# KiCad board nijuni.kicad_pcb
title: Nijuni; date: 2021-12-10; rev: 0.2
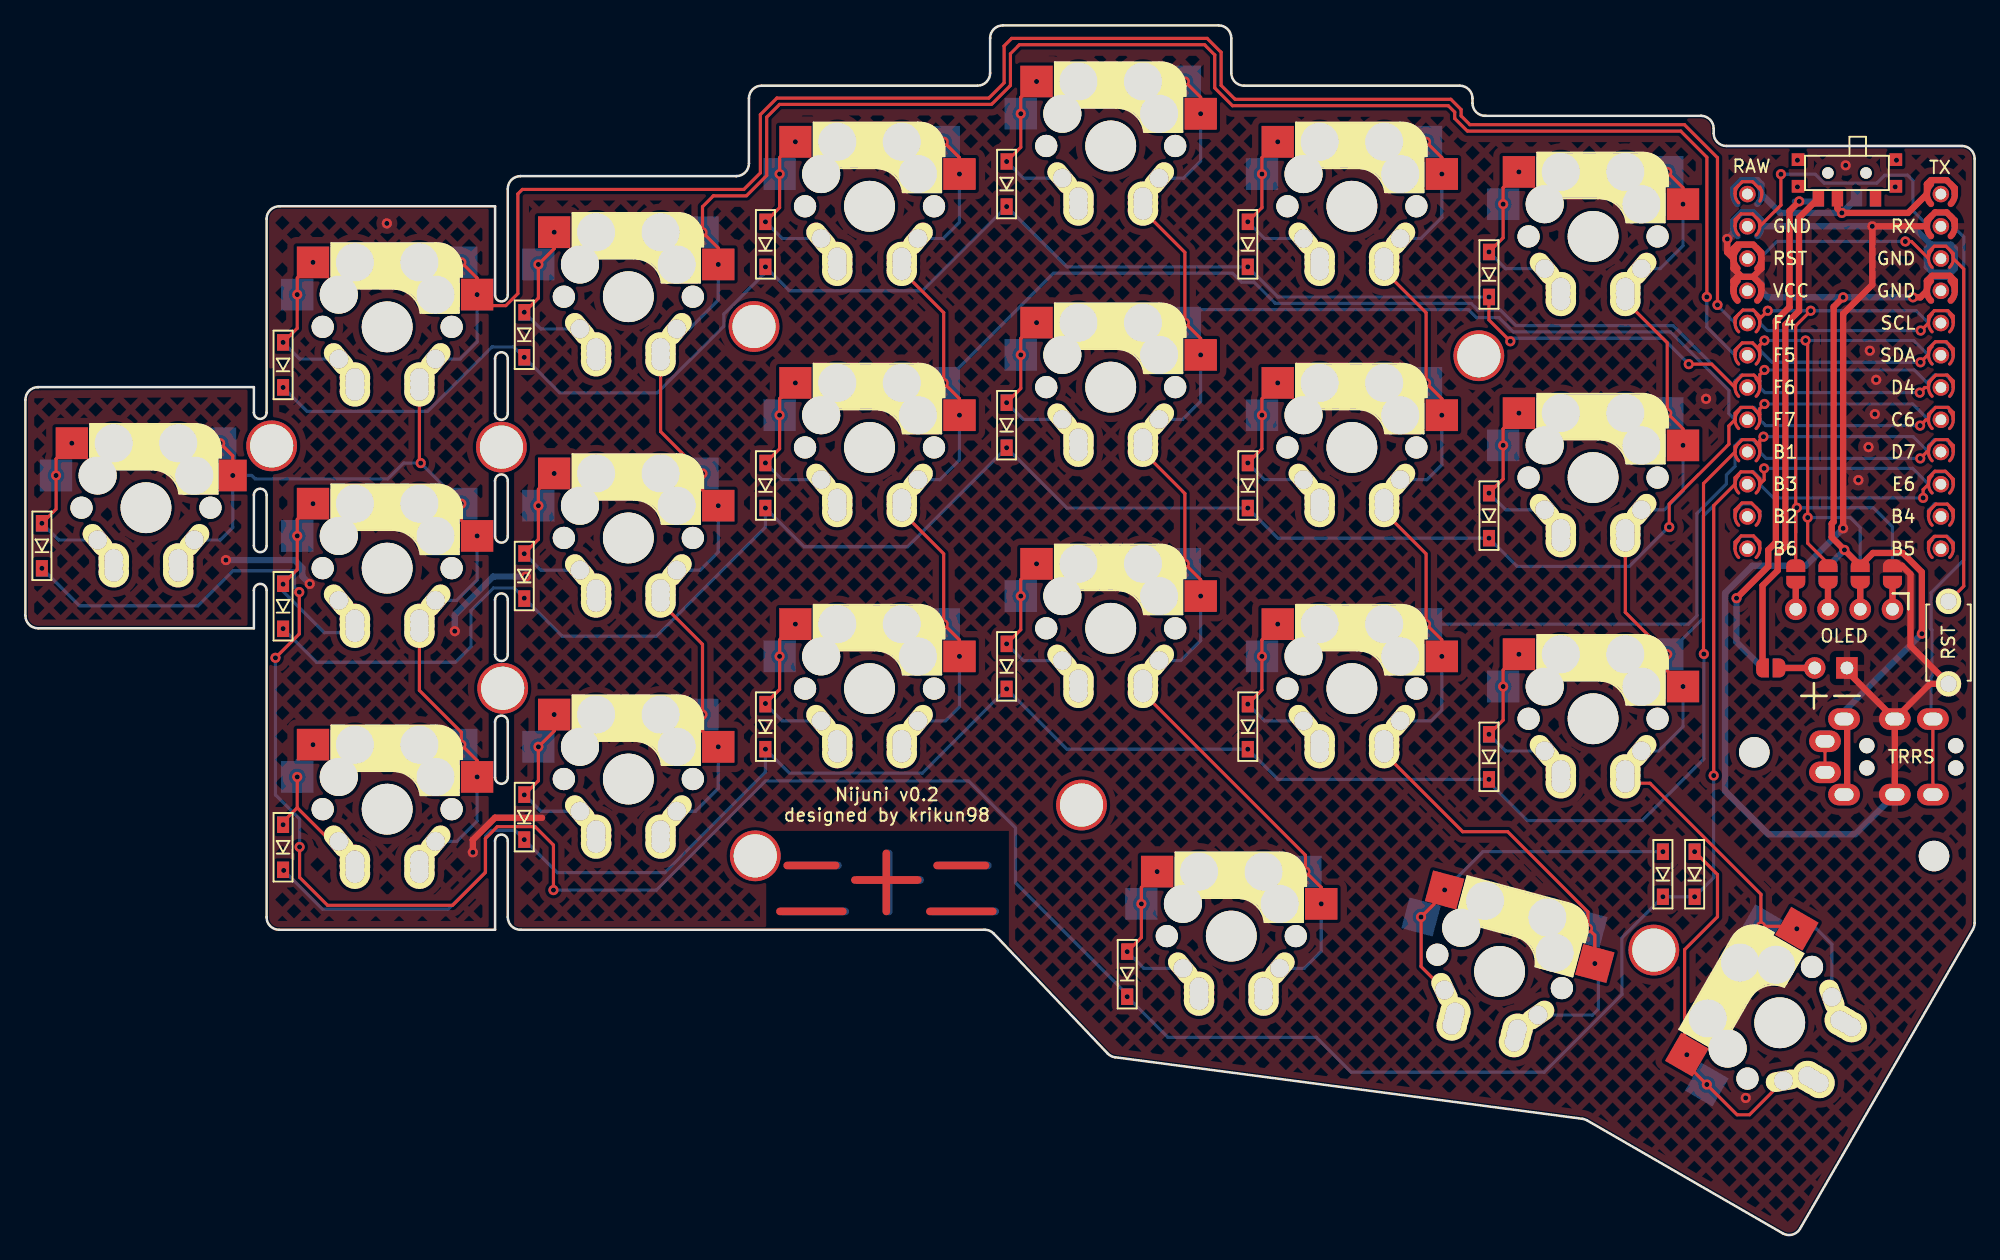
[diagram p0: board, top side]
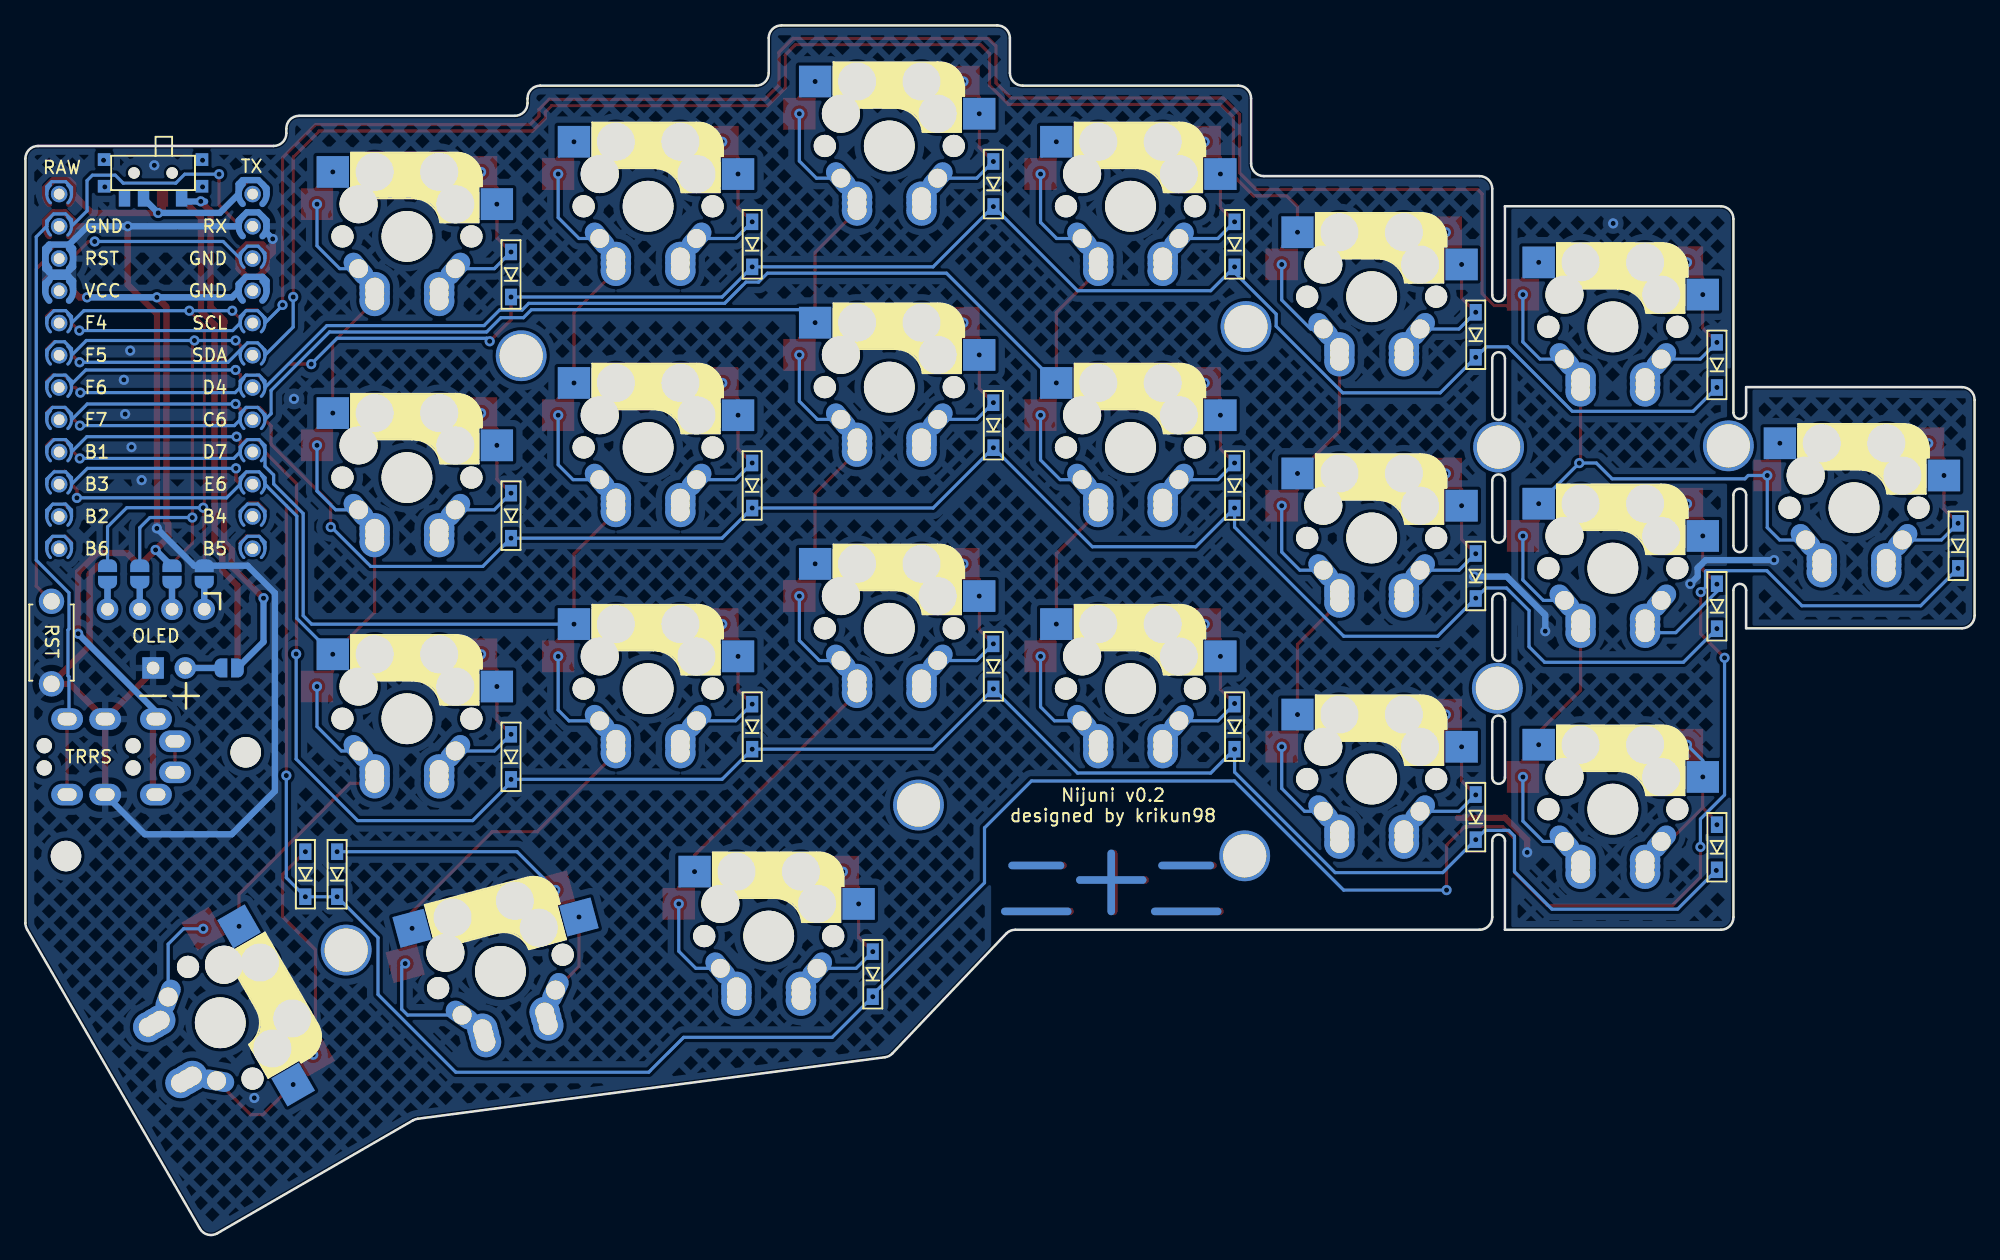
[diagram p1: board, bottom side, seen from below]

Outline 153.56 x 95.27 mm; copper layers: Top, Bottom. Coordinates in mm from the lower left corner of the outline.
Outline path: 0,65.77 arc(0.29,66.47) 1,66.77 18,66.77 18,64.77 arc(18.5,64.27) 19,64.77 19,80.02 arc(19.29,80.72) 20,81.02 37,81.02 37,74.02 arc(37.5,73.52) 38,74.02 38,82.39 arc(38.29,83.1) 39,83.39 56,83.39 arc(56.71,83.69) 57,84.39 57,89.52 arc(57.29,90.22) 58,90.52 75,90.52 arc(75.71,90.81) 76,91.52 76,94.27 arc(76.29,94.97) 77,95.27 94,95.27 arc(94.71,94.97) 95,94.27 95,91.52 arc(95.29,90.81) 96,90.52 113,90.52 arc(113.71,90.22) 114,89.52 114,89.14 arc(114.29,88.44) 115,88.14 132,88.14 arc(132.71,87.85) 133,87.14 133,86.77 arc(133.29,86.06) 134,85.77 152.56,85.77 arc(153.26,85.47) 153.56,84.77 153.56,24.55 arc(153.52,24.29) 153.42,24.05 139.81,0.47 arc(139.2,0) 138.44,0.1 123.02,9 arc(122.85,9.08) 122.66,9.13 85.85,13.97 arc(85.53,14.07) 85.26,14.27 76.29,23.71 arc(75.97,23.94) 75.58,24.02 39,24.02 arc(38.29,24.31) 38,25.02 38,31.02 arc(37.5,31.52) 37,31.02 37,24.02 19.99,24.02 arc(19.29,24.31) 19,25.01 19,50.77 arc(18.5,51.27) 18,50.77 18,47.77 1,47.77 arc(0.29,48.06) 0,48.77 0,65.77 ; 18,58.27 18,54.27 arc(18.5,53.77) 19,54.27 19,58.27 arc(18.5,58.77) 18,58.27 ; 37,69.02 37,64.69 arc(37.5,64.19) 38,64.69 38,69.02 arc(37.5,69.52) 37,69.02 ; 37,59.39 arc(37.5,59.89) 38,59.39 38,55.02 arc(37.5,54.52) 37,55.02 37,59.39 ; 37,50.02 arc(37.5,50.52) 38,50.02 38,45.69 arc(37.5,45.19) 37,45.69 37,50.02 ; 37,40.39 37,36.02 arc(37.5,35.52) 38,36.02 38,40.39 arc(37.5,40.89) 37,40.39
Stack: Top 0.035mm / dielectric 0.72mm FR4 er 4.5 / Bottom 0.035mm

## Placement (name value [footprint] x y rotation side)
D1  D_Small  [D3_SMD]  20.3 68.52 90 top
D2  D_Small  [D3_SMD]  39.3 70.89 90 top
D3  D_Small  [D3_SMD]  58.3 78.02 90 top
D4  D_Small  [D3_SMD]  77.3 82.77 90 top
D5  D_Small  [D3_SMD]  96.3 78.02 90 top
D6  D_Small  [D3_SMD]  115.3 75.64 90 top
D7  D_Small  [D3_SMD]  20.3 49.5 90 top
D8  D_Small  [D3_SMD]  39.3 51.89 90 top
D9  D_Small  [D3_SMD]  58.3 59.02 90 top
D10  D_Small  [D3_SMD]  77.3 63.77 90 top
D11  D_Small  [D3_SMD]  96.3 59.02 90 top
D12  D_Small  [D3_SMD]  115.3 56.64 90 top
D13  D_Small  [D3_SMD]  20.3 30.52 90 top
D14  D_Small  [D3_SMD]  39.3 32.89 90 top
D15  D_Small  [D3_SMD]  58.3 40.02 90 top
D16  D_Small  [D3_SMD]  77.3 44.77 90 top
D17  D_Small  [D3_SMD]  96.3 40.02 90 top
D18  D_Small  [D3_SMD]  115.3 37.64 90 top
D19  D_Small  [D3_SMD]  1.3 54.27 90 top
D20  D_Small  [D3_SMD]  86.8 20.52 90 top
D21  D_Small  [D3_SMD]  129 28.39 90 top
D22  D_Small  [D3_SMD]  131.5 28.39 90 top
H0  MountingHole  [M2-MountingHole-Standoff]  19.4 62.14 0 top
H1  MountingHole  [M2-MountingHole-Standoff]  37.6 43.04 0 top
H2  MountingHole  [M2-MountingHole-Standoff]  37.5 62.04 0 top
H3  MountingHole  [M2-MountingHole-Standoff]  57.4 71.54 0 top
H4  MountingHole  [M2-MountingHole-Standoff]  57.5 29.84 0 top
H5  MountingHole  [M2-MountingHole-Standoff]  83.2 33.84 0 top
H6  MountingHole  [M2-MountingHole-Standoff]  114.5 69.24 0 top
H7  MountingHole  [M2-MountingHole-Standoff]  128.29 22.42 0 top
H8  MountingHole  [M2-ClearanceHole]  150.36 29.82 0 top
H9  MountingHole  [M2-ClearanceHole]  136.2 38 0 top
J1  -  [MJ-4PP-9]  153.57 37.64 270 top
J2  Conn_01x04  [OLED_DISPLAY_128x32px_0.91in]  143.28 66.77 180 top
J3  Conn_01x02_Female  [Battery_TH]  143.5 44.64 270 top
JP1  SolderJumper_2_Open  [SolderJumper-2_P1.3mm_Open_RoundedPad1.0x1.5mm]  139.47 52.05 90 top
JP2  SolderJumper_2_Open  [SolderJumper-2_P1.3mm_Open_RoundedPad1.0x1.5mm]  142.01 52.05 90 top
JP3  SolderJumper_2_Open  [SolderJumper-2_P1.3mm_Open_RoundedPad1.0x1.5mm]  144.55 52.05 90 top
JP4  SolderJumper_2_Open  [SolderJumper-2_P1.3mm_Open_RoundedPad1.0x1.5mm]  147.09 52.05 90 top
JP5  SolderJumper_2_Open  [SolderJumper-2_P1.3mm_Open_RoundedPad1.0x1.5mm]  139.47 52.05 90 bottom
JP6  SolderJumper_2_Open  [SolderJumper-2_P1.3mm_Open_RoundedPad1.0x1.5mm]  142.01 52.05 90 bottom
JP7  SolderJumper_2_Open  [SolderJumper-2_P1.3mm_Open_RoundedPad1.0x1.5mm]  144.55 52.05 90 bottom
JP8  SolderJumper_2_Open  [SolderJumper-2_P1.3mm_Open_RoundedPad1.0x1.5mm]  147.09 52.05 90 bottom
JP9  SolderJumper_2_Open  [SolderJumper-2_P1.3mm_Open_RoundedPad1.0x1.5mm]  137.5 44.64 180 top
JP10  SolderJumper_2_Open  [SolderJumper-2_P1.3mm_Open_RoundedPad1.0x1.5mm]  137.5 44.64 180 bottom
K1  KEYSW  [MX-Alps-HS-1U-REV]  28.5 71.52 0 top
K2  KEYSW  [MX-Alps-HS-1U-REV]  47.5 73.89 0 top
K3  KEYSW  [MX-Alps-HS-1U-REV]  66.5 81.02 0 top
K4  KEYSW  [MX-Alps-HS-1U-REV]  85.5 85.77 0 top
K5  KEYSW  [MX-Alps-HS-1U-REV]  104.5 81.02 0 top
K6  KEYSW  [MX-Alps-HS-1U-REV]  123.5 78.64 0 top
K7  KEYSW  [MX-Alps-HS-1U-REV]  28.5 52.5 0 top
K8  KEYSW  [MX-Alps-HS-1U-REV]  47.5 54.89 0 top
K9  KEYSW  [MX-Alps-HS-1U-REV]  66.5 62.02 0 top
K10  KEYSW  [MX-Alps-HS-1U-REV]  85.5 66.77 0 top
K11  KEYSW  [MX-Alps-HS-1U-REV]  104.5 62.02 0 top
K12  KEYSW  [MX-Alps-HS-1U-REV]  123.5 59.64 0 top
K13  KEYSW  [MX-Alps-HS-1U-REV]  28.5 33.52 0 top
K14  KEYSW  [MX-Alps-HS-1U-REV]  47.5 35.89 0 top
K15  KEYSW  [MX-Alps-HS-1U-REV]  66.5 43.02 0 top
K16  KEYSW  [MX-Alps-HS-1U-REV]  85.5 47.77 0 top
K17  KEYSW  [MX-Alps-HS-1U-REV]  104.5 43.02 0 top
K18  KEYSW  [MX-Alps-HS-1U-REV]  123.5 40.64 0 top
K19  KEYSW  [MX-Alps-HS-1U-REV#2]  9.5 57.27 0 top
K20  KEYSW  [MX-Alps-HS-1U-REV]  95 23.52 0 top
K21  KEYSW  [MX-Alps-HS-1U-REV]  116.14 20.73 345 top
K22  KEYSW  [MX-Alps-HS-1.5U-REV]  138.2 16.69 60 top
RSW1  SW_PUSH  [ResetSW]  151.5 46.64 90 top
SW1  SW_SPDT  [SW_SPDT+H-MSK12C01_hor(7pin_SMD)]  143.5 83.64 180 top
SW2  SW_SPDT  [SW_SPDT+H-MSK12C01_hor(7pin_SMD)#2]  143.5 83.64 0 bottom
U1  ProMicro  [ProMicro_Flipped_v2_A]  143.28 69.27 0 top
U2  ProMicro  [ProMicro_Flipped_v2_B]  143.28 69.27 180 bottom

## Footprints (pads in the part's own frame, mm; a bottom-side part is the same pattern mirrored in y, then rotated)
Battery_TH
  rect 1.7x1.7 hole 1: 1(0,0)
  oval 1.7x1.7 hole 1: 2(0,-2.54)
D3_SMD
  rect 1.3x0.95 smd: 1(-1.775,0) 2(1.775,0)
  rect 1.3x0.95 smd far side: 1(-1.775,0) 2(1.775,0)
M2-ClearanceHole
  round 2.4 hole 2.4 unplated: (0,0)
M2-MountingHole-Standoff
  round 4 hole 3.4: (0,0)
MJ-4PP-9
  round 1.2 hole 1.2 unplated: (-0.875,-1.5) (-0.875,-8.5) (0.875,-1.5) (0.875,-8.5)
  oval 1.7x2.5 hole 1x1.5: A(-1.225,-11.8) A(1.225,-11.8) B(-2.975,-3.3) B(2.975,-3.3) C(-2.975,-6.3) C(2.975,-6.3) D(-2.975,-10.3) D(2.975,-10.3)
MX-Alps-HS-1.5U-REV
  round 1.75 hole 1.75 unplated: (-5.08,0) (5.08,0)
  round 3 hole 3 unplated: (-3.81,2.54) (-2.54,5.08) (2.54,5.08) (3.81,2.54)
  round 4 hole 4 unplated: (0,0)
  rect 2.55x2.5 smd far side: 1(-7.085,2.54) 2(5.842,5.08)
  rect 2.55x2.5 smd: 1(-5.842,5.08) 2(7.085,2.54)
  oval 2.8x1.55 hole 1.5 rot 130: 1(-3.81,-2.54)
  round 2.4 hole 1.5: 1(-2.54,-4.5) 1(-2.54,-4) 1(-2.54,-5.08) 2(2.54,-4.5) 2(2.54,-5.08) 2(2.54,-4)
  oval 2.8x1.55 hole 1.5 rot 50: 2(3.81,-2.54)
MX-Alps-HS-1U-REV
  round 1.75 hole 1.75 unplated: (-5.08,0) (5.08,0)
  round 3 hole 3 unplated: (-3.81,2.54) (-2.54,5.08) (2.54,5.08) (3.81,2.54)
  round 4 hole 4 unplated: (0,0)
  rect 2.55x2.5 smd far side: 1(-7.085,2.54) 2(5.842,5.08)
  rect 2.55x2.5 smd: 1(-5.842,5.08) 2(7.085,2.54)
  oval 2.8x1.55 hole 1.5 rot 130: 1(-3.81,-2.54)
  round 2.4 hole 1.5: 1(-2.54,-4) 1(-2.54,-4.5) 1(-2.54,-5.08) 2(2.54,-4) 2(2.54,-4.5) 2(2.54,-5.08)
  oval 2.8x1.55 hole 1.5 rot 50: 2(3.81,-2.54)
MX-Alps-HS-1U-REV#2
  round 1.75 hole 1.75 unplated: (-5.08,0) (5.08,0)
  round 3 hole 3 unplated: (-3.81,2.54) (-2.54,5.08) (2.54,5.08) (3.81,2.54)
  round 4 hole 4 unplated: (0,0)
  rect 2.55x2.5 smd far side: 1(-7.085,2.54) 2(5.842,5.08)
  rect 2.55x2.5 smd: 1(-5.842,5.08)
  oval 2.8x1.55 hole 1.5 rot 130: 1(-3.81,-2.54)
  round 2.4 hole 1.5: 1(-2.54,-4) 1(-2.54,-4.5) 1(-2.54,-5.08) 2(2.54,-4) 2(2.54,-4.5) 2(2.54,-5.08)
  oval 2.8x1.55 hole 1.5 rot 50: 2(3.81,-2.54)
  rect 2.2x2.5 smd: 2(6.835,2.54)
OLED_DISPLAY_128x32px_0.91in
  round 1.7 hole 1: 1(-3.81,17.5)
  oval 1.7x1.7 hole 1: 2(-1.27,17.5) 3(1.27,17.5) 4(3.81,17.5)
ProMicro_Flipped_v2_A
  round 1.3 hole 0.85: (-7.62,12.71) (-7.62,10.17) (-7.62,7.63) (-7.62,5.09) (-7.62,2.55) (-7.62,0.01) (-7.62,-2.53) (-7.62,-5.07) (-7.62,-7.61) (-7.62,-10.15) (-7.62,-12.69) (-7.62,-15.23) (7.62,12.71) (7.62,10.17) (7.62,7.63) (7.62,5.09) (7.62,2.55) (7.62,0.01) (7.62,-2.53) (7.62,-5.07) (7.62,-7.61) (7.62,-10.15) (7.62,-12.69) (7.62,-15.23)
  custom 0.536x1.629 smd far side: 1(6.645,12.71) 1(8.595,12.71) 2(6.645,10.17) 2(8.595,10.17) 5(6.645,2.55) 5(8.595,2.55) 6(6.645,0.01) 6(8.595,0.01) 7(6.645,-2.53) 7(8.595,-2.53) 8(6.645,-5.07) 8(8.595,-5.07) 9(6.645,-7.61) 9(8.595,-7.61) 10(6.645,-10.15) 10(8.595,-10.15) 11(6.645,-12.69) 11(8.595,-12.69) 12(6.645,-15.23) 12(8.595,-15.23) 13(-8.595,-15.23) 13(-6.645,-15.23) 14(-8.595,-12.69) 14(-6.645,-12.69) 15(-8.595,-10.15) 15(-6.645,-10.15) 16(-8.595,-7.61) 16(-6.645,-7.61) 17(-8.595,-5.07) 17(-6.645,-5.07) 18(-8.595,-2.53) 18(-6.645,-2.53) 19(-8.595,0.01) 19(-6.645,0.01) 20(-8.595,2.55) 20(-6.645,2.55) 22(-8.595,7.63) 22(-6.645,7.63)
  custom 0.822x2.054 smd far side: 3(6.52,7.63) 3(8.72,7.63) 4(6.52,5.09) 4(8.72,5.09) 21(-8.72,5.09) 21(-6.52,5.09) 23(-8.72,10.17) 23(-6.52,10.17) 24(-8.72,12.71) 24(-6.52,12.71)
ProMicro_Flipped_v2_B
  custom 0.401x1.368 smd far side: 1(6.495,12.71)
  custom 0.536x1.629 smd far side: 1(8.595,12.71) 2(6.645,10.17) 2(8.595,10.17) 5(6.645,2.55) 5(8.595,2.55) 6(6.645,0.01) 6(8.595,0.01) 7(6.645,-2.53) 7(8.595,-2.53) 8(6.645,-5.07) 8(8.595,-5.07) 9(6.645,-7.61) 9(8.595,-7.61) 10(6.645,-10.15) 10(8.595,-10.15) 11(6.645,-12.69) 11(8.595,-12.69) 12(6.645,-15.23) 12(8.595,-15.23) 13(-8.595,-15.23) 13(-6.645,-15.23) 14(-8.595,-12.69) 14(-6.645,-12.69) 15(-8.595,-10.15) 15(-6.645,-10.15) 16(-8.595,-7.61) 16(-6.645,-7.61) 17(-8.595,-5.07) 17(-6.645,-5.07) 18(-8.595,-2.53) 18(-6.645,-2.53) 19(-8.595,0.01) 19(-6.645,0.01) 20(-8.595,2.55) 20(-6.645,2.55) 22(-8.595,7.63) 22(-6.645,7.63)
  custom 0.822x2.054 smd far side: 3(6.52,7.63) 3(8.72,7.63) 4(6.52,5.09) 4(8.72,5.09) 21(-8.72,5.09) 21(-6.52,5.09) 23(-8.72,10.17) 23(-6.52,10.17) 24(-8.72,12.71) 24(-6.52,12.71)
ResetSW
  round 2 hole 1.3: 1(3.25,0) 2(-3.25,0)
SolderJumper-2_P1.3mm_Open_RoundedPad1.0x1.5mm
  custom 1x1.5 smd: 1(-0.65,0) 2(0.65,0)
SW_SPDT+H-MSK12C01_hor(7pin_SMD)
  round 0.9 hole 0.9 unplated: (-1.5,0) (1.5,0)
  rect 0.9x1.3 smd: 1(-2.25,2) 2(0.75,2) 3(2.25,2)
  rect 1x1 smd: H(-3.85,1.05) H(-3.85,-1.05) H(3.85,1.05) H(3.85,-1.05)
SW_SPDT+H-MSK12C01_hor(7pin_SMD)#2
  rect 0.9x1.3 smd: 1(-2.25,2) 2(0.75,2) 3(2.25,2)
  rect 1x1 smd: H(-3.85,-1.05) H(-3.85,1.05) H(3.85,-1.05) H(3.85,1.05)

## Nets
GND: J1.C J3.1 JP4.2 JP5.2 RSW1.2 U1.3 U1.4 U1.23 U2.3 U2.4 U2.23
VCC: J1.D JP3.2 JP6.2 U1.21 U2.21
COL0: K1.2 K7.2 K13.2 K19.2 U1.20 U2.20
COL1: K2.2 K8.2 K14.2 U1.19 U2.19
COL2: K3.2 K9.2 K15.2 U1.18 U2.18
COL3: K4.2 K10.2 K16.2 K20.2 U1.17 U2.17
COL4: K5.2 K11.2 K17.2 K21.2 U1.16 U2.16
COL5: K6.2 K12.2 K18.2 K22.2 U1.15 U2.15
DATA: J1.B U1.2 U2.2
RAW: SW1.2 SW2.2 U1.24 U2.24
RESET: RSW1.1 U1.22 U2.22
ROW0: D1.1 D2.1 D3.1 D4.1 D5.1 D6.1 U1.7 U2.7
ROW1: D7.1 D8.1 D9.1 D10.1 D11.1 D12.1 U1.8 U2.8
ROW2: D13.1 D14.1 D15.1 D16.1 D17.1 D18.1 U1.9 U2.9
ROW3: D19.1 D20.1 D21.1 D22.1 U1.10 U2.10
SCL: JP2.2 JP7.2 U1.6 U2.6
SDA: JP1.2 JP8.2 U1.5 U2.5
Net-(D1-Pad2): D1.2 K1.1
Net-(D2-Pad2): D2.2 K2.1
Net-(D3-Pad2): D3.2 K3.1
Net-(D4-Pad2): D4.2 K4.1
Net-(D5-Pad2): D5.2 K5.1
Net-(D6-Pad2): D6.2 K6.1
Net-(D7-Pad2): D7.2 K7.1
Net-(D8-Pad2): D8.2 K8.1
Net-(D9-Pad2): D9.2 K9.1
Net-(D10-Pad2): D10.2 K10.1
Net-(D11-Pad2): D11.2 K11.1
Net-(D12-Pad2): D12.2 K12.1
Net-(D13-Pad2): D13.2 K13.1
Net-(D14-Pad2): D14.2 K14.1
Net-(D15-Pad2): D15.2 K15.1
Net-(D16-Pad2): D16.2 K16.1
Net-(D17-Pad2): D17.2 K17.1
Net-(D18-Pad2): D18.2 K18.1
Net-(D19-Pad2): D19.2 K19.1
Net-(D20-Pad2): D20.2 K20.1
Net-(D21-Pad2): D21.2 K21.1
Net-(D22-Pad2): D22.2 K22.1
Net-(J2-Pad1): J2.1 JP4.1 JP8.1
Net-(J2-Pad2): J2.2 JP3.1 JP7.1
Net-(J2-Pad3): J2.3 JP2.1 JP6.1
Net-(J2-Pad4): J2.4 JP1.1 JP5.1
Net-(J3-Pad2): J3.2 JP9.1 JP10.1
Net-(JP9-Pad2): JP9.2 SW1.3
Net-(JP10-Pad2): JP10.2 SW2.1

Pads without a net: J1 A; SW1 1 H; SW2 3 H; U1 1 11 12 13 14; U2 1 11 12 13 14

## Via types
v1: diameter 0.8, hole 0.4, Top to Bottom, 190 vias

## Routing (per net, layer and track width the routed paths; a pad name or vN(x,y) marks a point on that pad's centre or on a via; arc(x,y) is an arc through that point)
GND: length 170.9
  Top w0.5: v1(134.07,78.44) 134.07,77.38 U2.3 ; v1(35.25,30.12) 35.25,31.1 36.99,32.84 40.7,32.84 ; U2.4 134.56,75.14 134.87,75.46 136.11,75.46 136.76,74.81 U2.4 ; JP4.2 147.84,52.7 148.5,52.03 148.5,46.39 RSW1.2 150.05,43.39 J1.C ; U2.3 134.56,76.11 135.22,75.46 ; U2.3 134.56,77.68 134.87,78 136.11,78 136.76,77.35 U2.3 136.76,76.11 136.1,75.46 ; v1(143.2,55.64) 143.2,72.54 145.5,74.84 145.5,79.43 v1(145.49,79.44) U2.23 149.8,79.89 150.44,80.54 151.35,80.54 152,79.89 U2.23 ; J1.C 143.5,44.39 J3.1 ; J1.C J1.C
  Bottom w0.5: v1(33.82,47.54) 33.82,48.82 36.85,51.84 v1(39.42,51.84) ; v1(15.8,53.14) 21.19,53.14 21.82,52.51 21.82,51.84 v1(22.4,51.27) ; 150.11,78 149.8,77.68 U1.3 149.8,76.24 150.24,75.8 151.68,75.8 152,76.11 U1.3 152,77.68 151.68,78 150.11,78 ; 150.11,78 148.67,79.44 v1(145.49,79.44) U1.23 136.76,79.89 136.11,80.54 135.2,80.54 134.56,79.89 U1.23 134.56,78.93 v1(134.07,78.44) ; J1.C 144.15,31.54 137.3,31.54 133.9,34.94 133.9,50.54 136.05,52.7 JP5.2 140.25,52.7 v1(143.2,55.64) ; U1.4 152,74.94 151.49,75.46 150.11,75.46 149.8,75.14 U1.4
  vias: v1(28.47,79.67) v1(132.4,65.84) v1(135.52,10.77) v1(143.4,84.24) v1(144.4,59.44) v1(145.2,62.04) v1(145.3,69.64) v1(145.7,64.64) v1(145.8,67.34)
VCC: length 71.9
  Top w0.5: J1.D 143.52,34.92 143.52,40.37 J1.D ; U2.21 152,75.14 151.6,75.54 150.2,75.54 149.8,75.14 U2.21 149.28,73.84 v1(148.7,73.84) ; v1(143.2,73.84) 142.45,73.09 142.45,56.16 142.3,56.01 142.3,54.94 v1(143.3,53.94) JP3.2 145.55,53.7 147.89,53.7 149.4,52.19 v1(149.4,47.34)
  Bottom w0.5: v1(148.7,73.84) v1(143.2,73.84) 137.27,73.84 U1.21 136.76,74.88 136.19,75.46 134.87,75.46 134.56,75.14 U1.21 ; v1(149.4,47.34) 143.27,41.21 J1.D ; v1(143.3,53.94) 142.05,52.7 JP6.2
(no net):
  vias: v1(139.6,84.64) v1(139.6,82.54) v1(147.3,82.54) v1(147.4,84.64)
COL0: length 245.7
  Top w0.25: K19.2 K19.2 K19.2 12.04,53.46 K19.2 ; v1(31.14,60.78) 31.04,60.89 K1.2 K1.2 K1.2 32.31,68.79 K1.2 ; v1(16.33,59.81) 16.33,61.35 v1(15.34,62.35) ; K13.2 32.31,30.79 K13.2 K13.2 K13.2 ; v1(149.3,71.22) 149.33,71.22 U2.20 149.92,72.33 150.38,72.79 151.45,72.79 151.87,72.37 U2.20 ; v1(35.58,36.06) 35.58,37.35 v1(34.34,38.6) 34.34,39.58 31.04,42.88 K7.2 K7.2 K7.2 32.31,49.77 K7.2 ; v1(34.34,76.6) 35.58,75.35 v1(35.58,74.06) 36.45,73.19 37.85,73.19 38.8,74.14 38.8,81.99 39.15,82.34 56.6,82.34 57.9,83.64 57.9,88.24 59.2,89.54 75.9,89.54 77.1,90.74 77.1,93.64 77.7,94.24 93.1,94.24 94.2,93.14 94.2,90.54 95.3,89.44 112.3,89.44 113.1,88.64 113.1,88.14 113.8,87.44 130.7,87.44 133.3,84.84 v1(133.3,73.24) ; v1(35.58,55.04) 34.34,56.29 v1(34.34,57.58)
  Bottom w0.25: K1.2 34.23,68.98 35.58,70.33 v1(35.58,74.06) ; v1(34.34,57.58) v1(31.14,60.78) 29.79,60.78 28.55,59.54 18.1,59.54 17.84,59.81 v1(16.33,59.81) 16.33,55.7 15.36,54.73 K19.2 ; v1(133.3,73.24) 133.3,73.2 U1.20 134.68,72.22 135.25,72.79 136.17,72.79 136.63,72.33 U1.20 137.23,71.22 v1(149.3,71.22) ; K7.2 33.97,49.96 35.58,51.58 v1(35.58,55.04) ; v1(35.58,36.06) 35.58,32.58 33.98,30.98 K13.2
COL1: length 193.8
  Top w0.25: U2.19 151.87,69.79 151.32,70.34 150.47,70.34 149.92,69.79 U2.19 149.84,69.28 v1(149.29,68.73) ; K8.2 51.31,52.16 K8.2 K8.2 53.34,46.5 v1(53.34,40.97) 53.34,39.68 v1(54.58,38.43) ; K2.2 50.04,70.08 K2.2 K2.2 K2.2 50.04,63.27 v1(53.34,59.97) 53.34,58.67 v1(54.58,57.43) ; K14.2 51.31,33.16 K14.2 K14.2 K14.2 ; v1(132.46,73.87) 132.46,84.88 130.4,86.94 113.59,86.94 112.6,87.94 112.6,88.44 112.1,88.94 95.1,88.94 93.7,90.34 93.7,92.94 92.89,93.74 78.31,93.74 77.6,93.04 77.6,90.54 76.11,89.04 59.41,89.04 58.4,88.04 58.4,83.44 56.81,81.84 54.2,81.84 53.34,80.98 v1(53.34,78.97) 54.58,77.73 v1(54.58,76.43)
  Bottom w0.25: v1(54.58,57.43) 54.58,53.78 53.15,52.35 K8.2 ; v1(149.29,68.73) 137.59,68.73 136.06,70.25 135.25,70.25 134.68,69.68 U1.19 132.46,71.5 v1(132.46,73.87) ; 136.63,69.68 U1.19 ; K2.2 52.3,71.35 54.58,73.63 v1(54.58,76.43) ; K14.2 52.78,33.35 54.58,35.15 v1(54.58,38.43)
COL2: length 151.5
  Top w0.25: v1(73.58,45.56) 73.58,46.85 v1(72.34,48.1) 72.34,53.64 K9.2 K9.2 K9.2 69.04,58.21 K9.2 ; v1(73.58,83.56) 73.58,84.85 v1(72.34,86.1) ; K15.2 69.04,39.21 K15.2 K15.2 K15.2 ; U2.18 151.87,67.25 151.41,67.71 150.49,67.71 149.92,67.14 U2.18 149.63,66.74 v1(149.23,66.34) ; v1(73.58,64.56) 73.58,65.85 v1(72.34,67.1) 72.34,72.64 K3.2 K3.2 K3.2 69.04,77.21 K3.2
  Bottom w0.25: v1(73.58,45.56) 73.58,41.58 72.48,40.48 K15.2 ; v1(73.58,83.56) 73.58,79.75 72.31,78.48 K3.2 ; v1(72.34,67.1) 80.99,75.74 95.1,75.74 95.8,75.04 96.79,75.04 98.47,73.37 113.9,73.37 114.42,72.84 116.2,72.84 117.43,71.62 129.8,71.62 U1.18 134.68,67.25 135.14,67.71 136.17,67.71 136.63,67.25 U1.18 137.04,66.34 v1(149.23,66.34) ; v1(73.58,64.56) 73.58,61.03 72.03,59.48 K9.2
COL3: length 163.1
  Top w0.25: K10.2 88.04,62.96 K10.2 K10.2 K10.2 91.34,58.39 v1(91.34,52.85) 92.58,51.6 v1(92.58,50.31) ; v1(149.26,63.74) 149.72,64.2 U2.17 149.92,64.6 150.49,65.17 151.47,65.17 151.87,64.77 U2.17 ; K20.2 97.54,19.71 K20.2 K20.2 K20.2 ; v1(91.34,90.85) 92.58,89.6 v1(92.58,88.31) ; K4.2 88.04,81.96 K4.2 K4.2 K4.2 91.34,77.39 v1(91.34,71.85) 92.58,70.6 v1(92.58,69.31) ; v1(102.08,26.06) 102.08,27.35 v1(100.84,28.6) 100.84,29.89 K16.2 K16.2 K16.2 88.04,43.96 K16.2
  Bottom w0.25: v1(149.26,63.74) 137.09,63.74 U1.17 136.63,64.71 136.17,65.17 135.25,65.17 134.68,64.6 U1.17 134.2,64.68 134.2,66.51 129.6,71.12 117.22,71.12 116.1,72.24 114.32,72.24 113.69,72.87 92.33,72.87 91.34,71.88 v1(91.34,71.85) ; v1(92.58,50.31) 92.58,46.8 91.01,45.23 K16.2 ; K4.2 91.23,83.23 92.58,84.58 v1(92.58,88.31) ; v1(92.58,69.31) 92.58,65.65 91.16,64.23 K10.2 ; K20.2 100.74,20.98 102.08,22.33 v1(102.08,26.06)
COL4: length 155.1
  Top w0.25: K11.2 108.31,59.29 K11.2 K11.2 K11.2 110.34,53.64 v1(110.34,48.1) 111.58,46.85 v1(111.58,45.56) ; K21.2 118.08,16.21 K21.2 117.42,16.08 K21.2 117.27,15.58 K21.2 ; U2.16 151.87,62.17 151.41,62.63 150.49,62.63 149.92,62.06 U2.16 149.78,61.66 v1(149.27,61.15) ; v1(123.64,21.35) 123.64,23.59 v1(123.09,24.13) 123.09,25.42 116.77,31.74 113.23,31.74 K17.2 K17.2 107.04,39.21 K17.2 ; v1(111.58,83.56) 111.58,84.85 v1(110.34,86.1) ; K5.2 108.31,78.29 K5.2 K5.2 110.34,72.64 v1(110.34,67.1) 111.58,65.85 v1(111.58,64.56)
  Bottom w0.25: v1(111.58,64.56) 111.58,60.65 110.41,59.48 K11.2 ; K5.2 109.93,78.48 111.58,80.13 v1(111.58,83.56) ; v1(111.58,45.56) 111.58,41.33 110.73,40.48 K17.2 ; v1(123.64,21.35) 123.91,21.08 123.91,17.76 123.45,17.3 K21.2 ; v1(110.34,48.1) 131.01,48.1 131.68,48.76 131.68,56.82 134,59.14 134,59.84 134.68,60.53 U1.16 134.68,62.17 135.14,62.63 136.06,62.63 136.63,62.06 U1.16 137.14,61.15 v1(149.27,61.15)
COL5: length 128.1
  Top w0.25: K18.2 127.31,37.91 K18.2 K18.2 127.98,35.56 136.73,26.81 v1(136.73,24.29) 139.35,24.29 v1(139.55,24.1) ; K22.2 143.58,16.64 K22.2 143.12,16.89 K22.2 142.31,17.52 K22.2 ; v1(129.34,83.72) 130.58,82.48 v1(130.58,81.18) ; U2.15 151.87,59.52 151.25,60.14 150.43,60.14 149.92,59.63 U2.15 149.5,58.69 v1(149.5,58.04) ; K6.2 127.31,75.91 K6.2 K6.2 129.34,70.26 v1(129.34,64.72) 130.58,63.48 v1(130.58,62.18) ; v1(130.58,43.18) 129.34,44.43 v1(129.34,45.72) 126.04,49.02 K12.2 K12.2 K12.2 127.31,56.91 K12.2
  Bottom w0.25: v1(149.5,58.04) 137.71,58.04 U1.15 136.63,59.61 136.15,60.09 135.14,60.09 134.68,59.63 U1.15 132.17,56.61 132.17,48.56 v1(129.34,45.72) ; v1(130.58,43.18) 130.58,40.03 128.66,38.1 K18.2 ; K6.2 128.78,76.1 130.58,77.9 v1(130.58,81.18) ; v1(139.55,24.1) 141.1,24.1 142.31,22.88 K22.2 ; v1(130.58,62.18) 130.58,58.58 129.11,57.1 K12.2
DATA: length 72.9
  Top w0.25: U2.2 134.68,79.95 135.14,80.41 136.06,80.41 136.63,79.84 U2.2 138.3,81.1 v1(138.3,83.54) ; J1.B J1.B
  Bottom w0.25: J1.B 150.13,40.76 150.13,43.96 150.2,44.04 150.2,47.64 150.13,47.71 150.13,50.57 152.7,53.14 152.7,78.61 U1.2 151.87,79.87 151.33,80.41 150.38,80.41 149.92,79.95 U1.2 148.7,80.66 148.7,83.04 148.28,83.47 146.48,83.47 145.85,82.84 141.7,82.84 141,83.54 v1(138.3,83.54)
RAW: length 24.9
  Top w0.5: U2.24 152,82.43 151.35,83.08 150.11,83.08 149.8,82.76 U2.24 148.31,80.49 v1(143.1,80.49) 142.75,80.84 SW1.2
  Bottom w0.5: SW2.2 v1(143.1,80.49) 138.24,80.49 U1.24 136.76,82.76 136.44,83.08 135.2,83.08 134.56,82.43 U1.24
RESET: length 48.8
  Top w0.25: v1(148.1,78.24) 148.58,78.24 U2.22 149.92,77.41 150.38,77.87 151.3,77.87 151.87,77.3 U2.22 152.7,76.07 152.7,51.09 RSW1.1
  Bottom w0.25: v1(148.1,78.24) 137.98,78.24 U1.22 136.63,77.3 136.06,77.87 135.23,77.87 134.68,77.33 U1.22
ROW0: length 155.4
  Top w0.25: U2.7 136.63,67.75 v1(137,68.12) ; v1(131.04,68.58) 132.84,68.58 U2.7 134.68,67.14 135.25,67.71 136.17,67.71 136.63,67.25 ; v1(115.3,73.87) 115.3,72.06 v1(116.98,70.38)
  Bottom w0.25: U1.7 151.87,67.14 151.3,67.71 150.38,67.71 149.92,67.25 U1.7 ; v1(115.3,73.87) 98.67,73.87 v1(96.3,76.24) 82.05,76.24 v1(77.3,80.99) 70.67,74.36 60.18,74.36 v1(58.3,76.24) 58.3,75.8 55.03,72.53 55.03,71.57 49.77,66.32 42.1,66.32 v1(39.3,69.12) 38.47,69.94 36.77,69.94 31.69,64.86 22.18,64.86 v1(20.3,66.74) ; v1(116.98,70.38) 117.22,70.62 129,70.62 v1(131.04,68.58) ; 149.92,66.99 148.8,68.12 v1(137,68.12)
ROW1: length 162.3
  Top w0.25: v1(129.5,55.74) 129.5,57.57 134.2,62.27 134.2,63.71 U2.8 134.68,64.71 135.14,65.17 136.06,65.17 136.63,64.6 ; v1(137,65.44) 136.63,65.08 U2.8
  Bottom w0.25: D7.1 22.94,45.09 33.87,45.09 35.1,46.32 35.1,49.17 36.87,50.94 38.5,50.94 v1(39.3,50.14) 42.3,47.14 49.7,47.14 58.3,55.74 v1(58.3,57.24) 61.35,54.19 69.5,54.19 v1(77.3,61.99) 82.05,57.24 v1(96.3,57.24) 98.67,54.87 v1(115.3,54.87) 117.52,52.64 126.35,52.64 129.45,55.74 v1(129.5,55.74) ; U1.8 151.87,64.71 151.41,65.17 150.43,65.17 149.92,64.67 U1.8 148.68,65.44 v1(137,65.44)
  vias: v1(20.3,47.74)
ROW2: length 180
  Top w0.25: U2.9 136.63,62.58 v1(136.92,62.87) ; 136.63,62.17 136.17,62.63 135.25,62.63 134.68,62.06 U2.9 132.2,59.17 132.2,45.77 v1(132.23,45.74)
  Bottom w0.25: D13.1 v1(20.35,28.69) 23.4,25.64 33.3,25.64 36.25,28.59 36.25,31.39 36.7,31.84 38.57,31.84 v1(39.3,31.12) 41.9,28.52 50.37,28.52 58.3,36.44 v1(58.3,38.24) 60.18,36.36 70.67,36.36 v1(77.3,42.99) 82.05,38.24 v1(96.3,38.24) 98.67,35.87 v1(115.3,35.87) 115.3,35.64 118.32,32.62 127.37,32.62 132.23,37.47 v1(132.23,45.74) ; U1.9 151.87,62.06 151.3,62.63 150.38,62.63 149.92,62.17 U1.9 148.72,62.87 v1(136.92,62.87)
ROW3: length 246.5
  Top w0.25: v1(21.57,50.62) 21.57,47.32 v1(19.7,45.44) ; v1(136.97,60.37) 136.97,59.45 U2.10 136.63,59.52 136.06,60.09 135.14,60.09 134.68,59.63 U2.10 133.01,57.44 133.01,36.17 v1(133,36.17) ; v1(41.6,27.14) 41.6,30.69 40.15,32.14 37.17,32.14 36.24,31.2 36.24,28.53 33.65,25.94 23.8,25.94 21.6,28.14 v1(21.6,30.54)
  Bottom w0.25: v1(19.7,45.44) 19.7,34.64 21.6,32.74 v1(21.6,30.54) ; v1(1.3,52.49) 4.25,49.54 13.6,49.54 16.36,52.3 21.15,52.3 21.2,52.25 21.2,50.99 v1(21.57,50.62) ; v1(133,36.17) 133,36.17 133,28.12 v1(131.5,26.62) v1(129,26.62) 125.77,23.39 125.77,18.92 119.65,12.79 104.45,12.79 101.7,15.54 90,15.54 v1(86.8,18.74) 86.8,18.92 78,27.72 78,32.04 74.3,35.74 58.31,35.74 49.71,27.14 v1(41.6,27.14) ; U1.10 151.87,59.52 151.3,60.09 150.38,60.09 149.92,59.63 U1.10 148.67,60.37 v1(136.97,60.37)
SCL: length 46.9
  Top w0.25: 136.63,69.68 136.06,70.25 135.25,70.25 134.68,69.68 U2.6 ; U2.6 136.63,70.08 v1(137,70.44) ; v1(140.24,70.44) 140.41,70.28 140.41,54.47 142.01,52.87 JP2.2
  Bottom w0.25: JP7.2 144.55,55.7 143.75,56.49 v1(140.41,56.49) ; v1(137,70.44) 148.76,70.44 U1.6 149.92,69.79 150.47,70.34 151.21,70.34 151.87,69.68 U1.6
SDA: length 54.4
  Top w0.25: JP1.2 139.47,57.18 v1(139.55,57.27) ; 136.63,72.16 v1(137.26,72.79) ; U2.5 136.63,72.33 136.12,72.84 135.31,72.84 134.68,72.22 U2.5 ; v1(140.64,72.79) 139.47,71.61 139.47,55.33
  Bottom w0.25: U1.5 151.87,72.22 151.3,72.79 150.38,72.79 149.92,72.33 U1.5 148.95,72.79 v1(140.64,72.79) v1(137.26,72.79) ; v1(139.55,57.27) 145.57,57.27 147.09,55.76 JP8.2
Net-(D1-Pad2): length 15.3
  Top w0.25: v1(20.3,70.29) 21.41,71.41 v1(21.41,74.06) 21.41,75.35 v1(22.66,76.6) ; K1.1 K1.1 K1.1 24.69,68.79 K1.1
  Bottom w0.25: v1(20.3,70.29) 21.61,68.98 K1.1
Net-(D2-Pad2): length 15.3
  Top w0.25: v1(39.3,72.67) 40.41,73.78 v1(40.41,76.43) 41.66,77.68 v1(41.66,78.97) ; K2.1 44.96,70.08 K2.1 K2.1 K2.1
  Bottom w0.25: K2.1 40.61,71.35 v1(39.3,72.67)
Net-(D3-Pad2): length 15.3
  Top w0.25: K3.1 K3.1 K3.1 63.96,77.21 K3.1 ; v1(58.3,79.79) 59.41,80.91 v1(59.41,83.56) 59.41,84.85 v1(60.66,86.1)
  Bottom w0.25: K3.1 59.61,78.48 v1(58.3,79.79)
Net-(D4-Pad2): length 15.3
  Top w0.25: v1(79.66,90.85) 78.41,89.6 78.41,85.66 v1(77.3,84.54) ; K4.1 82.96,81.96 K4.1 K4.1 K4.1
  Bottom w0.25: v1(77.3,84.54) 78.61,83.23 K4.1
  vias: v1(78.41,88.31)
Net-(D5-Pad2): length 15.3
  Top w0.25: v1(98.66,86.1) 97.41,84.85 v1(97.41,83.56) 97.41,80.91 v1(96.3,79.79) ; K5.1 K5.1 K5.1 101.96,77.21 K5.1
  Bottom w0.25: K5.1 97.61,78.48 v1(96.3,79.79)
Net-(D6-Pad2): length 15.3
  Top w0.25: K6.1 120.96,74.83 K6.1 K6.1 K6.1 ; v1(117.66,83.72) 116.41,82.48 v1(116.41,81.18) 116.41,78.53 v1(115.3,77.42)
  Bottom w0.25: v1(115.3,77.42) 116.61,76.1 K6.1
Net-(D7-Pad2): length 17.9
  Top w0.25: K7.1 K7.1 K7.1 25.96,48.69 K7.1 ; D7.2 21.41,52.39 v1(21.41,55.04) 21.41,56.34 v1(22.66,57.58)
  Bottom w0.25: K7.1 23.54,47.42 20.3,50.67 v1(20.3,51.24)
Net-(D8-Pad2): length 15.3
  Top w0.25: K8.1 K8.1 K8.1 44.96,51.08 K8.1 ; D8.2 40.41,54.78 v1(40.41,57.43) 40.41,58.72 v1(41.66,59.97)
  Bottom w0.25: D8.2 40.61,52.35 K8.1
  vias: v1(39.3,53.64)
Net-(D9-Pad2): length 15.3
  Top w0.25: K9.1 63.96,58.21 K9.1 K9.1 K9.1 ; v1(60.66,67.1) 59.41,65.85 v1(59.41,64.56) 59.41,61.91 v1(58.3,60.79)
  Bottom w0.25: K9.1 59.61,59.48 v1(58.3,60.79)
Net-(D10-Pad2): length 15.3
  Top w0.25: K10.1 82.96,62.96 K10.1 K10.1 K10.1 ; v1(77.3,65.54) 78.41,66.66 78.41,70.6 v1(79.66,71.85)
  Bottom w0.25: v1(77.3,65.54) 78.61,64.23 K10.1
  vias: v1(78.41,69.31)
Net-(D11-Pad2): length 15.3
  Top w0.25: v1(98.66,67.1) 97.41,65.85 v1(97.41,64.56) 97.41,61.91 v1(96.3,60.79) ; K11.1 101.96,58.21 K11.1 K11.1 K11.1
  Bottom w0.25: K11.1 97.61,59.48 v1(96.3,60.79)
Net-(D12-Pad2): length 15.3
  Top w0.25: K12.1 120.96,55.83 K12.1 K12.1 K12.1 ; v1(115.3,58.42) 116.41,59.53 116.41,63.48 v1(117.66,64.72)
  Bottom w0.25: K12.1 116.61,57.1 v1(115.3,58.42)
  vias: v1(116.41,62.18)
Net-(D13-Pad2): length 14.7
  Top w0.25: v1(20.3,32.29) 20.3,32.51 21.41,33.63 ; K13.1 K13.1 K13.1 25.96,29.71 K13.1 24.07,30.98 21.41,33.63 ; 21.41,33.63 v1(21.41,36.06)
  Bottom w0.25: v1(22.66,38.6) 21.41,37.35 v1(21.41,36.06)
Net-(D14-Pad2): length 15.3
  Top w0.25: v1(39.3,34.64) 40.41,35.76 v1(40.41,38.43) 41.66,39.68 v1(41.66,40.97) ; K14.1 43.69,33.16 K14.1 K14.1 K14.1
  Bottom w0.25: K14.1 40.61,33.35 D14.2
Net-(D15-Pad2): length 15.2
  Top w0.25: K15.1 63.96,39.21 K15.1 K15.1 K15.1 ; v1(60.66,48.1) 59.41,46.85 59.41,42.96 v1(58.3,41.84)
  Bottom w0.25: D15.2 59.61,40.48 K15.1
  vias: v1(59.41,45.56)
Net-(D16-Pad2): length 15.3
  Top w0.25: K16.1 K16.1 K16.1 82.96,43.96 K16.1 ; v1(79.66,52.85) 78.41,51.6 v1(78.41,50.31) 78.41,47.66 v1(77.3,46.54)
  Bottom w0.25: K16.1 78.61,45.23 v1(77.3,46.54)
Net-(D17-Pad2): length 15.3
  Top w0.25: K17.1 K17.1 K17.1 101.96,39.21 K17.1 ; v1(98.66,48.1) 97.41,46.85 97.41,42.91 v1(96.3,41.79)
  Bottom w0.25: v1(96.3,41.79) 97.61,40.48 K17.1
  vias: v1(97.41,45.56)
Net-(D18-Pad2): length 15.3
  Top w0.25: K18.1 120.96,36.83 K18.1 K18.1 K18.1 ; v1(115.3,39.42) 116.41,40.53 116.41,44.48 v1(117.66,45.72)
  Bottom w0.25: K18.1 116.61,38.1 v1(115.3,39.42)
  vias: v1(116.41,43.18)
Net-(D19-Pad2): length 15.3
  Top w0.25: K19.1 6.96,53.46 K19.1 K19.1 K19.1 ; v1(3.66,62.35) 2.41,61.1 v1(2.41,59.81) 2.41,57.16 v1(1.3,56.04)
  Bottom w0.25: K19.1 2.61,54.73 v1(1.3,56.04)
Net-(D20-Pad2): length 15.3
  Top w0.25: K20.1 92.46,19.71 K20.1 K20.1 K20.1 ; v1(86.8,22.29) 87.91,23.41 v1(87.91,26.06) 87.91,27.35 v1(89.16,28.6)
  Bottom w0.25: v1(86.8,22.29) 88.11,20.98 K20.1
Net-(D21-Pad2): length 31.1
  Top w0.25: K21.1 112.37,16.9 K21.1 112.52,17.4 K21.1 112.65,18.42 K21.1 109.95,21.12 v1(109.95,25.02) 111.81,26.88 v1(111.81,27.15)
  Bottom w0.25: v1(111.81,27.15) 114.82,30.17 v1(129,30.17)
Net-(D22-Pad2): length 32.2
  Top w0.25: v1(131.5,30.17) 133.3,28.37 133.3,25.04 130.71,22.45 130.71,14.34 v1(130.88,14.17) 130.88,13.4 v1(132.46,11.82) 134.85,9.44 135.82,9.44 K22.1 138.87,12.49 K22.1 140.65,12.24 K22.1 141.12,11.95 K22.1
Net-(J2-Pad1): length 4.3
  Top w0.5: J2.1 147.09,49.27 JP4.1
  Bottom w0.5: J2.1 147.09,51.39 JP4.1
Net-(J2-Pad2): length 4.3
  Top w0.5: JP3.1 144.55,49.27 J2.2
  Bottom w0.5: J2.2 144.55,51.39 JP3.1
Net-(J2-Pad3): length 4.3
  Top w0.5: JP2.1 142.01,49.27 J2.3
  Bottom w0.5: J2.3 142.01,51.39 JP2.1
Net-(J2-Pad4): length 4.3
  Top w0.5: J2.4 139.47,49.27 JP1.1
  Bottom w0.5: J2.4 139.47,51.39 JP1.1
Net-(J3-Pad2): length 5.6
  Top w0.5: JP9.1 J3.2
  Bottom w0.5: J3.2 JP9.1
Net-(JP9-Pad2): length 38.8
  Top w0.5: SW1.3 139.73,80.12 139.73,72.77 138.65,71.69 138.65,71.69 138.65,54.23 138.05,53.63 138.05,52.33 136.85,51.13 JP9.2
Net-(JP10-Pad2): length 41.6
  Top w0.5: v1(139.74,81.4) 138.97,80.63 138.97,73.07 138.97,73.07 137.9,72 137.9,54.54 137.3,53.94 137.3,52.64 v1(134.8,50.14)
  Bottom w0.5: SW2.1 141,81.39 139.4,81.39 ; v1(134.8,50.14) 134.8,46.69 JP10.2
unconnected-(J1-PadA): length 2.5
  Top w0.25: J1.A J1.A
unconnected-(U1-Pad1): length 3.4
  Bottom w0.25: U1.1 151.87,82.57 151.49,82.95 150.38,82.95 149.92,82.49 U1.1
unconnected-(U1-Pad11): length 3.3
  Bottom w0.25: U1.11 151.87,57.07 151.39,57.55 150.38,57.55 149.92,57.09 U1.11
unconnected-(U1-Pad12): length 3.3
  Bottom w0.25: U1.12 149.92,54.47 150.47,55.01 151.41,55.01 151.87,54.55 U1.12
unconnected-(U1-Pad13): length 3.3
  Bottom w0.25: U1.13 134.68,54.55 135.14,55.01 136.06,55.01 136.63,54.44 U1.13
unconnected-(U1-Pad14): length 3.2
  Bottom w0.25: U1.14 136.63,56.98 136.06,57.55 135.25,57.55 134.68,56.98 U1.14
unconnected-(U2-Pad1): length 3.3
  Top w0.25: U2.1 134.68,82.38 135.25,82.95 136.06,82.95 136.78,82.23 U2.1
unconnected-(U2-Pad11): length 3.4
  Top w0.25: U2.11 134.68,57.09 135.23,57.64 135.97,57.64 136.63,56.98 U2.11
unconnected-(U2-Pad12): length 3.4
  Top w0.25: U2.12 134.68,54.55 135.17,55.04 136.14,55.04 136.63,54.55 U2.12
unconnected-(U2-Pad13): length 3.3
  Top w0.25: U2.13 151.87,54.47 151.33,55.01 150.38,55.01 149.92,54.55 U2.13
unconnected-(U2-Pad14): length 3.3
  Top w0.25: U2.14 149.92,56.98 150.49,57.55 151.41,57.55 151.87,57.09 U2.14

## Copper pours and planes (outline as drawn; the poured copper is in the pictures)
GND on Top, Bottom: 95.7,90.84 114,90.84 114.7,88.44 133.1,88.44 133.7,86.04 153.9,86.04 153.9,24.21 139.3,-0.76 122.8,8.91 85.5,13.91 75.9,23.91 19,23.81 19,47.61 -0.1,47.61 0,66.51 19,66.61 19,80.91 38,80.91 38,83.21 57,83.21 57,90.41 76,90.41 76,95.11 95,95.11

## Text on the board
Bottom: 二十二
B.Mask: 二十二
B.Silkscreen: Nijuni v0.2 / designed by krikun98
Top: 二十二
F.Mask: 二十二
F.Silkscreen: Nijuni v0.2 / designed by krikun98
